# Altium PCB dac_brd_raton_v0.PcbDoc (part 1 of 3)
Units mm, origin at the board's own origin, x right, y up, seen from the top; angles counter-clockwise.
Board outline 145.29 x 217.93 mm, 2 copper layers (Top Layer, Bottom Layer); 316 components, 149 nets, 804 pads, 301 vias.
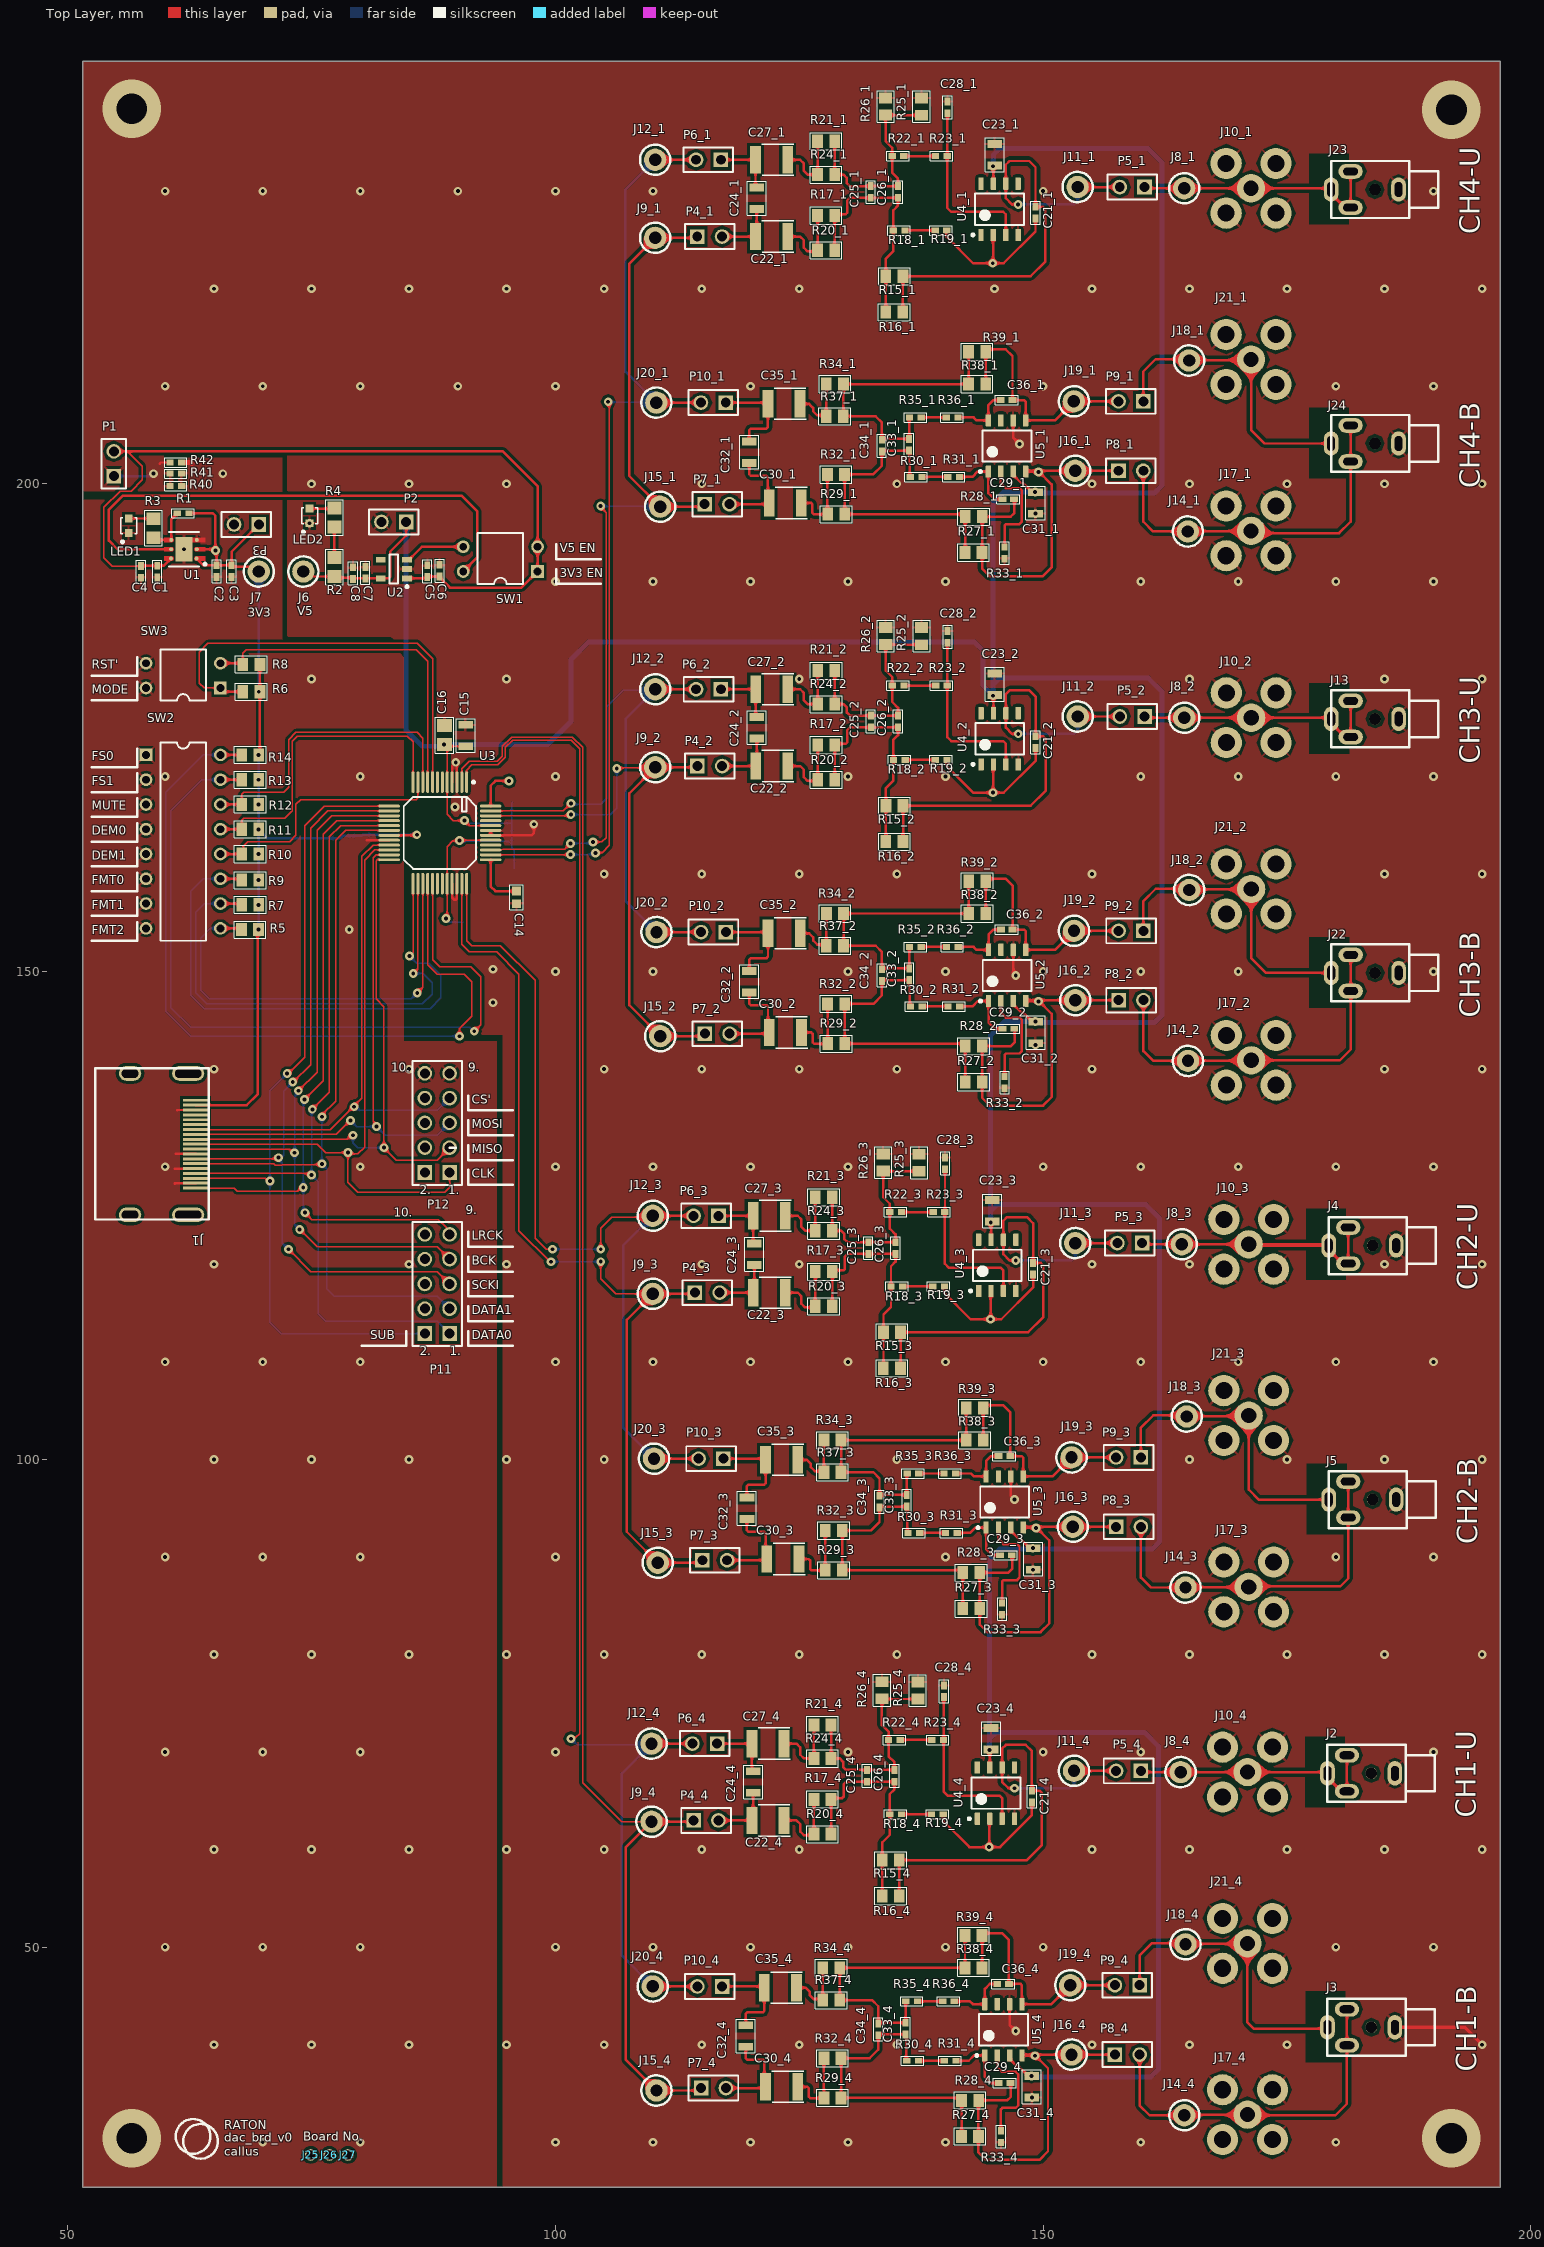
[diagram p0: Top Layer view]
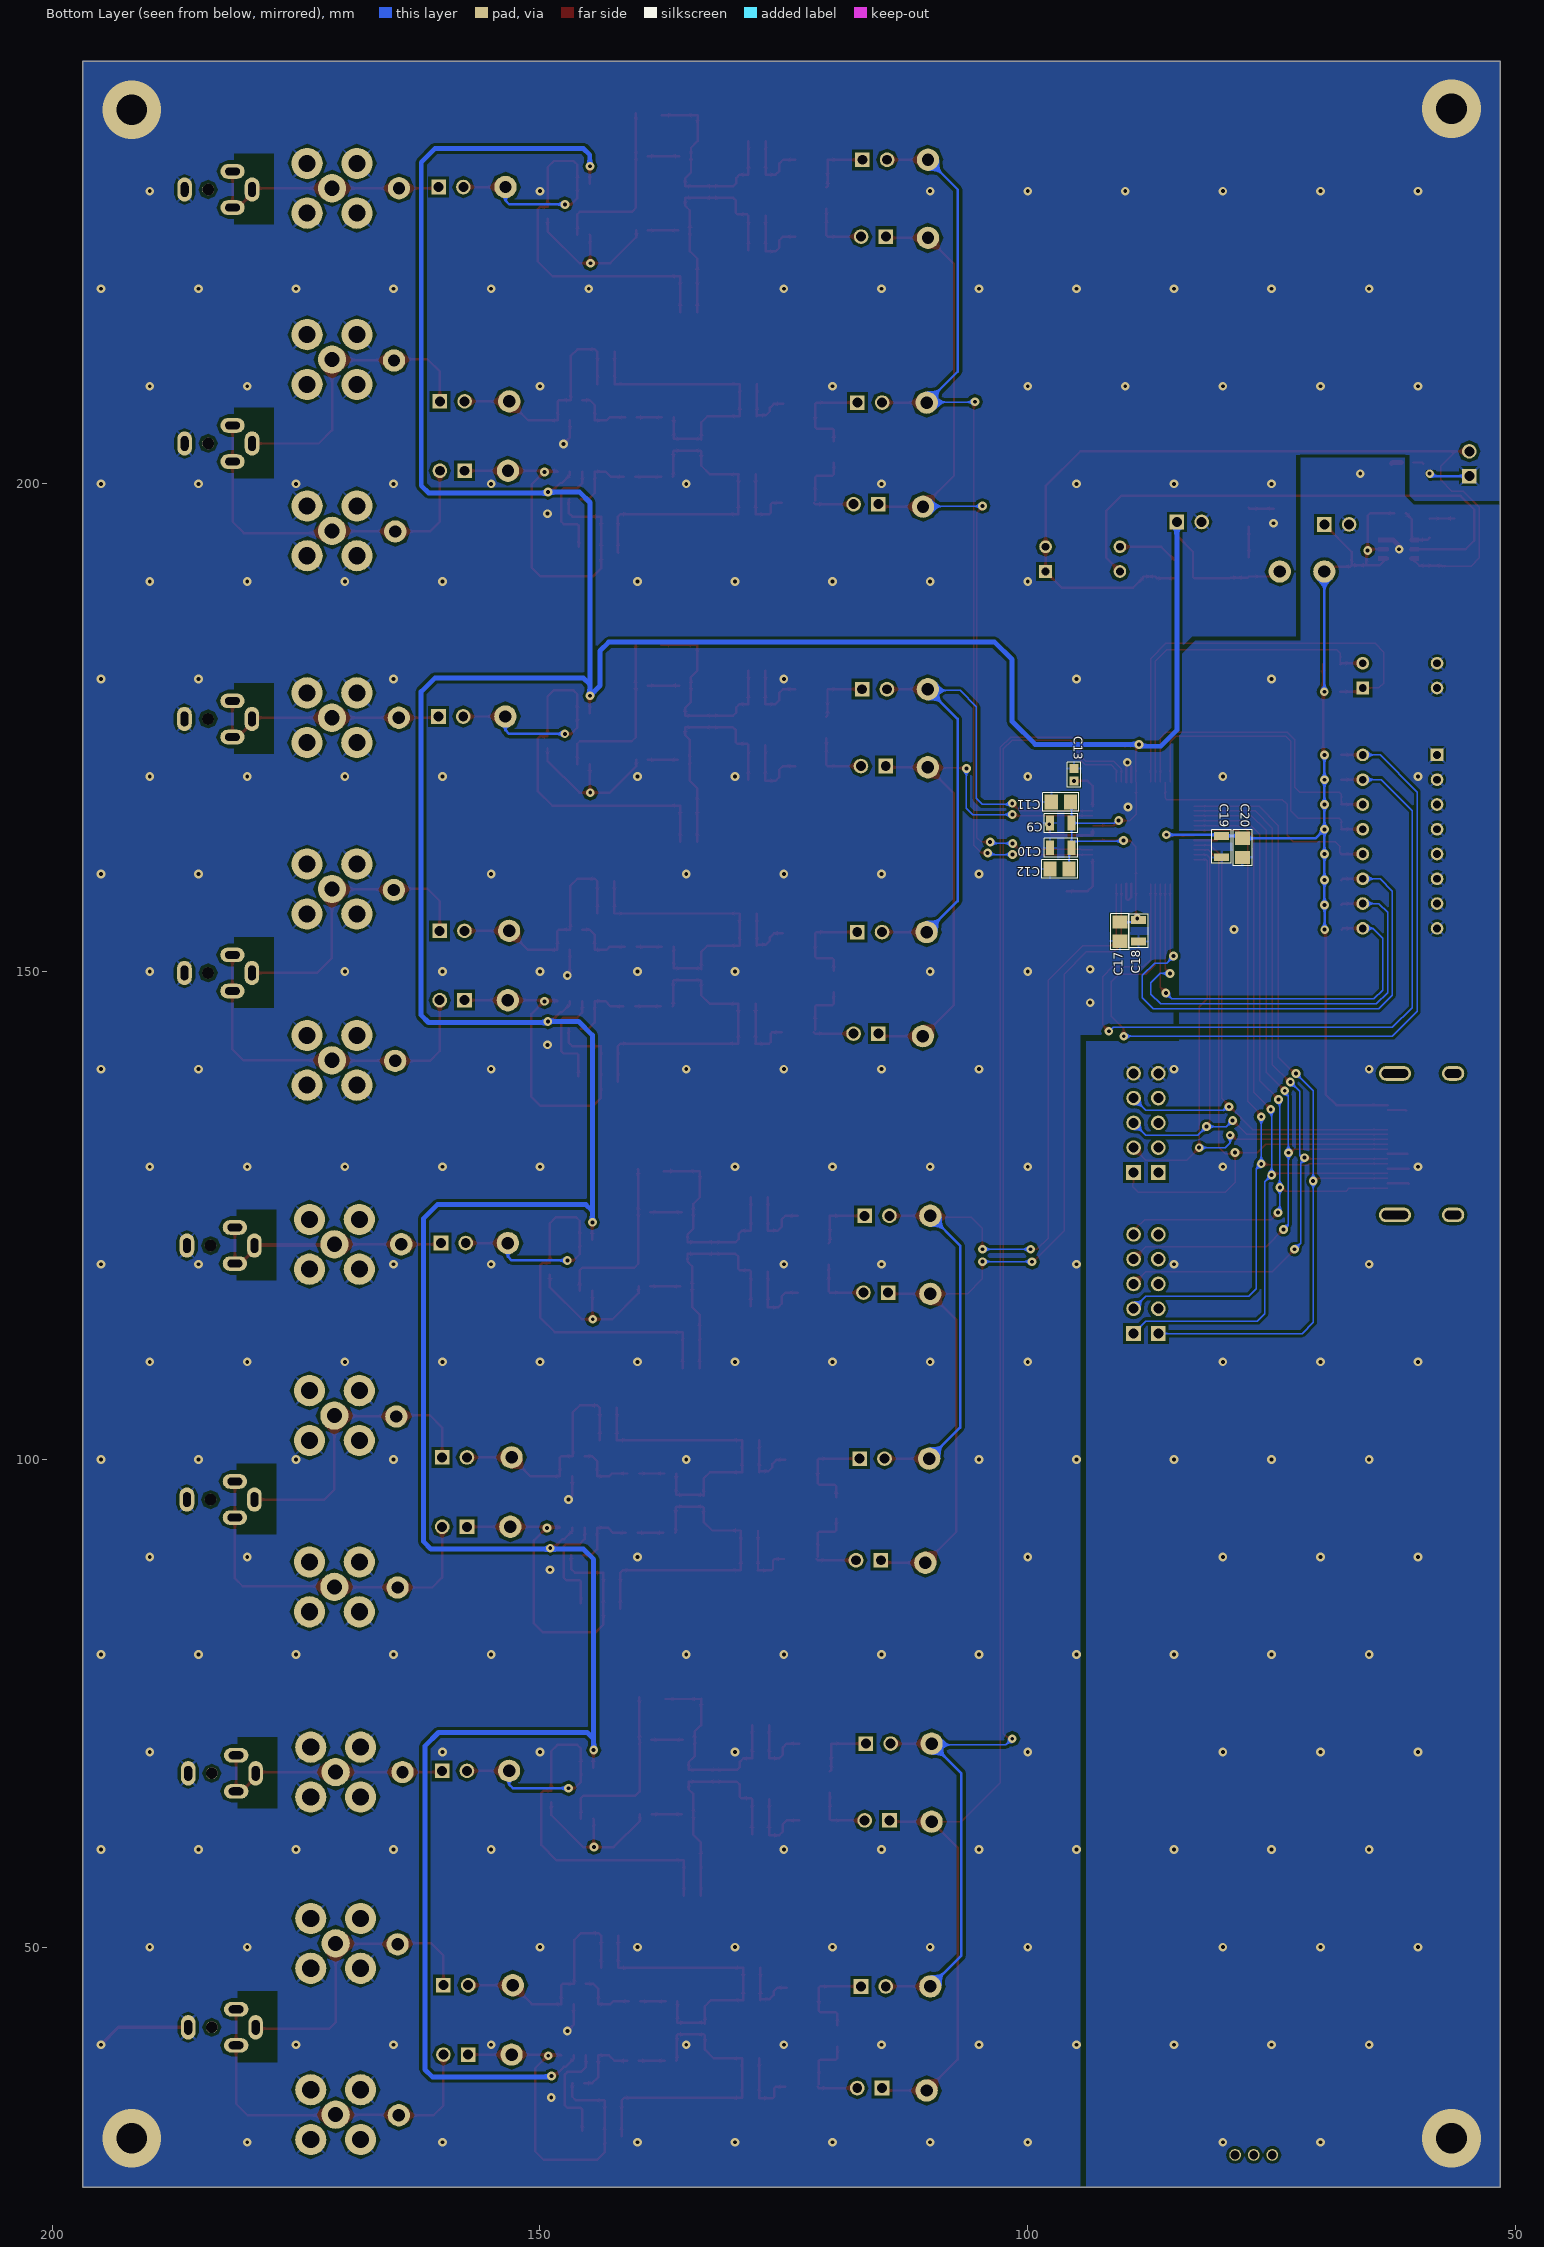
[diagram p1: Bottom Layer view, seen from below]
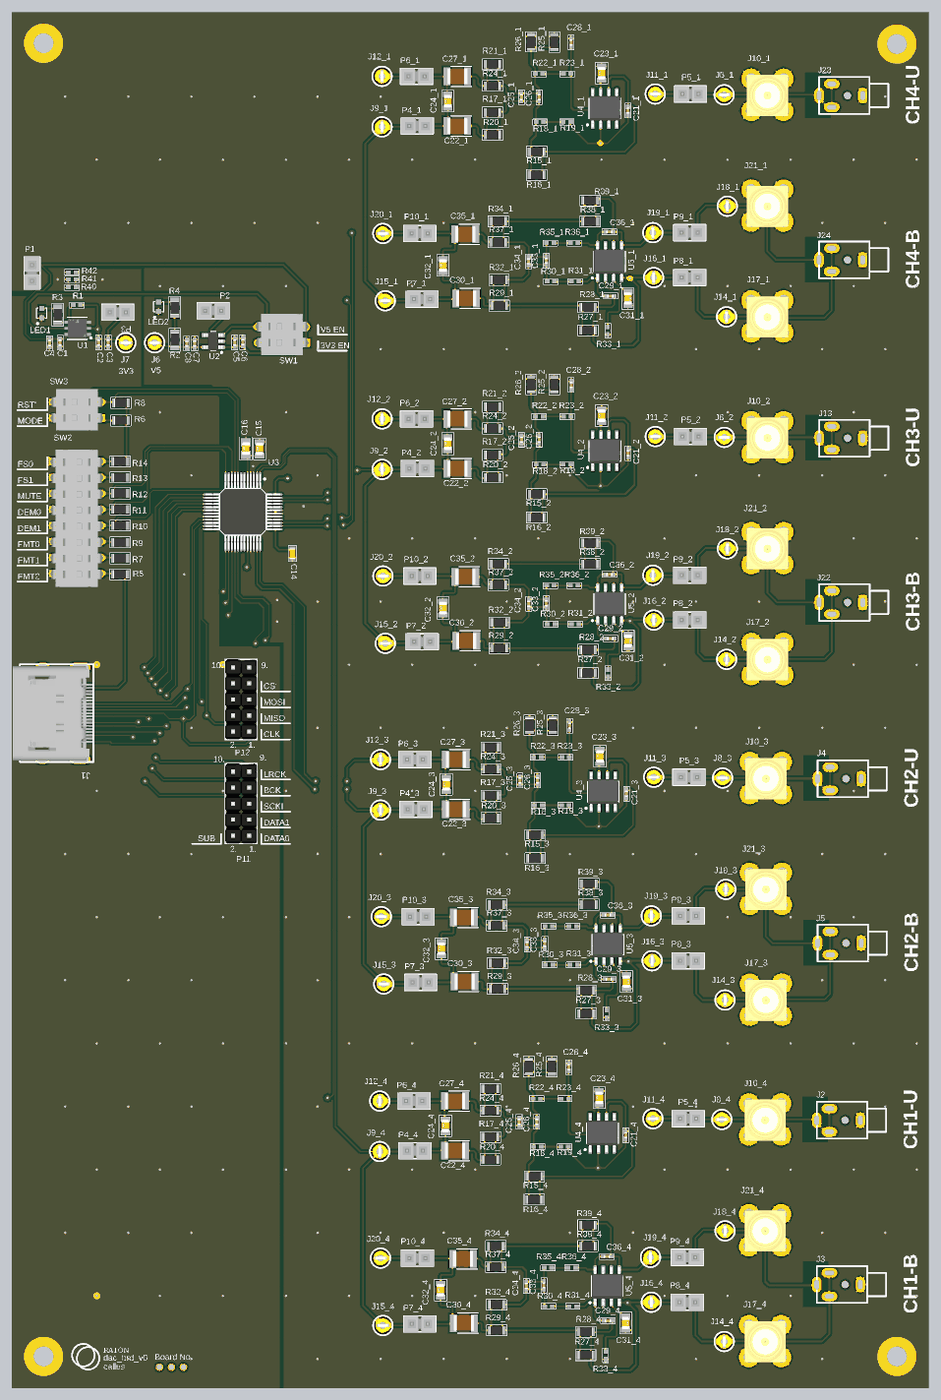
[diagram p4: 3D render of the assembled board from above, using the file's embedded part models]
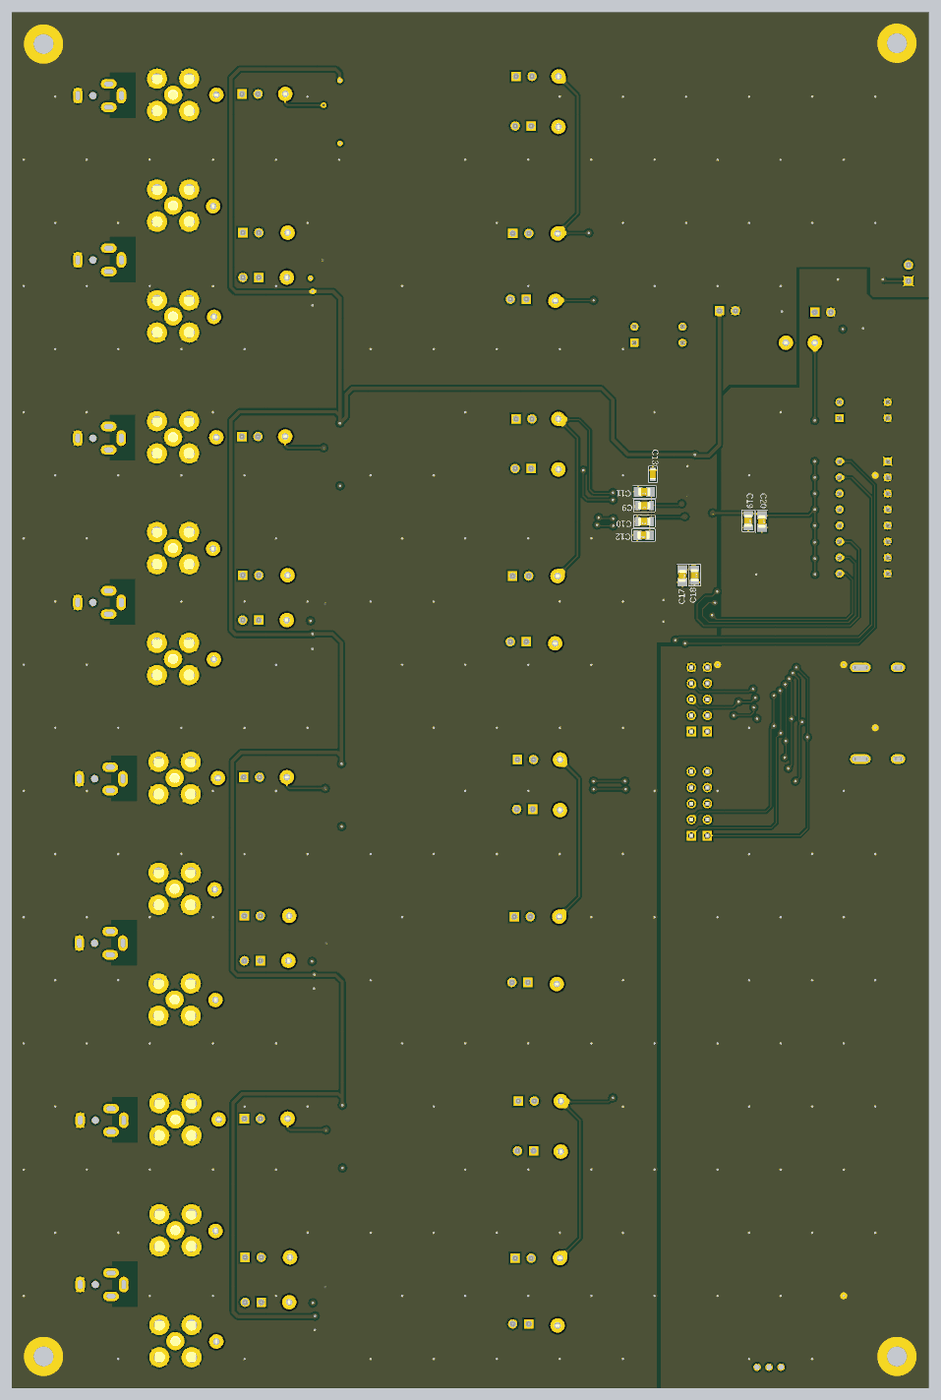
[diagram p5: 3D render of the assembled board from below, using the file's embedded part models]

## Layer stack, top to bottom
Top Solder: solder mask 0.0102, Solder Resist, Dk 3.5
Top Layer: signal copper 0.0356
Dielectric 1: dielectric 0.32, FR-4, Dk 4.8
Bottom Layer: signal copper 0.0356
Bottom Solder: solder mask 0.0102, Solder Resist, Dk 3.5

## Board outline
51.562,25.4 51.562,243.332 196.85,243.332 196.85,25.4

## Design rules (kind name [scope] priority, off if disabled: settings)
Clearance [All] p1: gap=0.152 ignorepadtopadclearanceinfootprint=TRUE except(0: Arc-Hole Track-Hole SMDPad-Hole THPad-Hole Via-Hole Fill-Hole Poly-Hole Region-Hole Text-Hole; 0.3: Arc-Poly Track-Poly SMDPad-Poly THPad-Poly Via-Poly Fill-Poly Poly-Poly Poly-Region Poly-Text)
HoleSize [All] p1: absolutevalues=TRUE maxlimit=3.175 minlimit=0.3 maxpercent=80.000 minpercent=20.000
MinimumSolderMaskSliver [All] p1: minsoldermaskwidth=0
PlaneConnect [All] p1: pad.planeconnectstyle=Relief pad.reliefexpansion=0.508 pad.reliefentries=4 pad.reliefconductorwidth=0.254 pad.reliefairgap=0.254 via.planeconnectstyle=Direct via.reliefexpansion=0.508 via.reliefentries=4 via.reliefconductorwidth=0.254 via.reliefairgap=0.254
PolygonConnect [All] p1: thpad.connectstyle=Relief thpad.reliefconductorwidth=0.254 thpad.reliefentries=4 thpad.polygonreliefangle="45 Angle" thpad.airgapwidth=0.254 smdpad.connectstyle=Relief smdpad.reliefconductorwidth=0.254 smdpad.reliefentries=4 smdpad.polygonreliefangle="90 Angle" smdpad.airgapwidth=0.254 via.connectstyle=Direct via.reliefconductorwidth=0.254 via.reliefentries=4 via.polygonreliefangle="90 Angle" via.airgapwidth=0.254
RoutingVias [All] p1: holewidth=0.711 width=1.27 viastyle="Through Hole" minholewidth=0.711 minwidth=1.27 maxholewidth=0.711 maxwidth=1.27
SilkToSilkClearance [All] p1: silktosilkclearance=0
SilkToSolderMaskClearance [IsPad] p1: minsilkscreentomaskgap=0 clearancetoexposedcopper=TRUE
SolderMaskExpansion [All] p1: expansion=0.102 istentingtop=FALSE
Width [All] p1: maxlimit=0.508 minlimit=0.152 preferedwidth=0.381 minimp=50.000000 maximp=50.000000 favimp=50.000000
25 further rules are at their usual default settings.

## Classes and differential pairs
channel class "DAC Output": "U_DAC Output1" "U_DAC Output2" "U_DAC Output3" "U_DAC Output4"
component class U_Power: C1 C2 C3 C4 C5 C6 C7 C8 J6 J7 LED1 LED2 P1 P2 P3 R1 R2 R3 R4 R40 R41 R42 SW1 U2
component class "U_DAC Output4": C21_4 C22_4 C23_4 C24_4 C25_4 C26_4 C27_4 C28_4 C29_4 C30_4 C31_4 C32_4 C33_4 C34_4 C35_4 C36_4 J8_4 J9_4 J10_4 J11_4 J12_4 J14_4 J15_4 J16_4 J17_4 J18_4 J19_4 J20_4 J21_4 P4_4 P5_4 P6_4 P7_4 P8_4 P9_4 P10_4 R15_4 R16_4 R17_4 R18_4 R19_4 R20_4 R21_4 R22_4 R23_4 R24_4 R25_4 R26_4 R27_4 R28_4 R29_4 R30_4 R31_4 R32_4 R33_4 R34_4 R35_4 R36_4 R37_4 R38_4 R39_4 U4_4 U5_4
component class "U_DAC Output3": C21_3 C22_3 C23_3 C24_3 C25_3 C26_3 C27_3 C28_3 C29_3 C30_3 C31_3 C32_3 C33_3 C34_3 C35_3 C36_3 J8_3 J9_3 J10_3 J11_3 J12_3 J14_3 J15_3 J16_3 J17_3 J18_3 J19_3 J20_3 J21_3 P4_3 P5_3 P6_3 P7_3 P8_3 P9_3 P10_3 R15_3 R16_3 R17_3 R18_3 R19_3 R20_3 R21_3 R22_3 R23_3 R24_3 R25_3 R26_3 R27_3 R28_3 R29_3 R30_3 R31_3 R32_3 R33_3 R34_3 R35_3 R36_3 R37_3 R38_3 R39_3 U4_3 U5_3
component class "U_DAC Output2": C21_2 C22_2 C23_2 C24_2 C25_2 C26_2 C27_2 C28_2 C29_2 C30_2 C31_2 C32_2 C33_2 C34_2 C35_2 C36_2 J8_2 J9_2 J10_2 J11_2 J12_2 J14_2 J15_2 J16_2 J17_2 J18_2 J19_2 J20_2 J21_2 P4_2 P5_2 P6_2 P7_2 P8_2 P9_2 P10_2 R15_2 R16_2 R17_2 R18_2 R19_2 R20_2 R21_2 R22_2 R23_2 R24_2 R25_2 R26_2 R27_2 R28_2 R29_2 R30_2 R31_2 R32_2 R33_2 R34_2 R35_2 R36_2 R37_2 R38_2 R39_2 U4_2 U5_2
component class "U_DAC Output1": C21_1 C22_1 C23_1 C24_1 C25_1 C26_1 C27_1 C28_1 C29_1 C30_1 C31_1 C32_1 C33_1 C34_1 C35_1 C36_1 J8_1 J9_1 J10_1 J11_1 J12_1 J14_1 J15_1 J16_1 J17_1 J18_1 J19_1 J20_1 J21_1 P4_1 P5_1 P6_1 P7_1 P8_1 P9_1 P10_1 R15_1 R16_1 R17_1 R18_1 R19_1 R20_1 R21_1 R22_1 R23_1 R24_1 R25_1 R26_1 R27_1 R28_1 R29_1 R30_1 R31_1 R32_1 R33_1 R34_1 R35_1 R36_1 R37_1 R38_1 R39_1 U4_1 U5_1
component class "U_DAC Channel 12": C9 C10 C11 C12 C13 C14 C15 C16 C17 C18 C19 C20 R5 R6 R7 R8 R9 R10 R11 R12 R13 R14 SW2 SW3 U3
component class "DAC Board TOP": J1 J2 J3 J4 J5 J13 J22 J23 J24 J25 J26 J27 P11 P12

## Components (designator, comment, footprint, x,y, rotation, side; value= is the part's Value field where it differs from the comment)
C1 "CAP 10uF CER 0402 6.3V X5R 20%" 0402-M#1 59.182,191.008 r270 top value=10µF
C2 "CAP 10uF CER 0402 6.3V X5R 20%" 0402-M#1 65.278,191.043 r270 top value=10µF
C3 "CAP 10uF CER 0402 6.3V X5R 20%" 0402-M#1 66.802,191.043 r270 top value=10µF
C4 "CAP 0.1uF CER 0402 16V X5R 10%" 0402-M#1 57.531,190.973 r270 top value=100nF
C5 "CAP 2.2uF CER 0402 25V X5R 10%" 0402-M#1 86.868,191.043 r90 top value=2.2µF
C6 "CAP 0.1uF CER 0402 16V X5R 10%" 0402-M#1 88.138,191.1 r90 top value=100nF
C7 "CAP 2.2uF CER 0402 25V X5R 10%" 0402-M#1 80.518,190.881 r90 top value=2.2µF
C8 "CAP 0.1uF CER 0402 16V X5R 10%" 0402-M#1 79.248,190.846 r90 top value=100nF
C9 "CAP 10nF CER 0805 50V X7R 10%" 0805-M#1 96.604,165.227 r0 bottom value=10nF
C10 "CAP 10nF CER 0805 50V X7R 10%" 0805-M#1 96.604,162.687 r0 bottom value=10nF
C11 "CAP 1uF CER 0805 50V X7R 10%" 0805-L#1 96.606,167.386 r0 bottom value=1µF
C12 "CAP 1uF CER 0805 50V X7R 10%" 0805-L#1 96.733,160.528 r0 bottom value=1µF
C13 "CAP 100nF CER 0603 50V X7R 5%" 0603-M 95.25,170.18 r90 bottom value=100nF
C14 "CAP 100nF CER 0603 50V X7R 5%" 0603-M 96.012,157.607 r270 top value=100nF
C15 "CAP 10nF CER 0805 50V X7R 10%" 0805-M#1 90.805,174.201 r90 top value=10nF
C16 "CAP 1uF CER 0805 50V X7R 10%" 0805-L#1 88.646,174.244 r90 top value=1µF
C17 "CAP 1uF CER 0805 50V X7R 10%" 0805-L#1 90.551,154.092 r270 bottom value=1µF
C18 "CAP 10nF CER 0805 50V X7R 10%" 0805-M#1 88.646,154.178 r270 bottom value=10nF
C19 "CAP 10nF CER 0805 50V X7R 10%" 0805-M#1 80.137,162.814 r270 bottom value=10nF
C20 "CAP 1uF CER 0805 50V X7R 10%" 0805-L#1 77.978,162.687 r270 bottom value=1µF
C21_1 "CAP 1nF CER 0402 50V X5R 10%" 0402-M#1 149.212,227.79 r90 top value=1nF (schematic designator C21)
C21_2 "CAP 1nF CER 0402 50V X5R 10%" 0402-M#1 149.225,173.517 r90 top value=1nF (schematic designator C21)
C21_3 "CAP 1nF CER 0402 50V X5R 10%" 0402-M#1 148.971,119.542 r90 top value=1nF (schematic designator C21)
C21_4 "CAP 1nF CER 0402 50V X5R 10%" 0402-M#1 148.844,65.44 r90 top value=1nF (schematic designator C21)
C22_1 "CAP 100uF CER 1210 16V X5R 20%" 1210-M 122.161,225.342 r180 top value=100µF (schematic designator C22)
C22_2 "CAP 100uF CER 1210 16V X5R 20%" 1210-M 122.174,171.069 r180 top value=100µF (schematic designator C22)
C22_3 "CAP 100uF CER 1210 16V X5R 20%" 1210-M 121.92,117.094 r180 top value=100µF (schematic designator C22)
C22_4 "CAP 100uF CER 1210 16V X5R 20%" 1210-M 121.793,62.992 r180 top value=100µF (schematic designator C22)
C23_1 "CAP 0.1uF CER 0805 50V  X7R 5%" 0805-M#1 145.021,233.724 r90 top value=100nF (schematic designator C23)
C23_2 "CAP 0.1uF CER 0805 50V  X7R 5%" 0805-M#1 145.034,179.451 r90 top value=100nF (schematic designator C23)
C23_3 "CAP 0.1uF CER 0805 50V  X7R 5%" 0805-M#1 144.78,125.476 r90 top value=100nF (schematic designator C23)
C23_4 "CAP 0.1uF CER 0805 50V  X7R 5%" 0805-M#1 144.653,71.374 r90 top value=100nF (schematic designator C23)
C24_1 "CAP 22pF CER 0805 50V C0G 2%" 0805-M#1 120.637,229.279 r90 top value=22pF (schematic designator C24)
C24_2 "CAP 22pF CER 0805 50V C0G 2%" 0805-M#1 120.65,175.006 r90 top value=22pF (schematic designator C24)
C24_3 "CAP 22pF CER 0805 50V C0G 2%" 0805-M#1 120.396,121.031 r90 top value=22pF (schematic designator C24)
C24_4 "CAP 22pF CER 0805 50V C0G 2%" 0805-M#1 120.269,66.929 r90 top value=22pF (schematic designator C24)
C25_1 "CAP 1nF CER 0402 50V X5R 10%" 0402-M#1 132.321,229.914 r90 top value=1nF (schematic designator C25)
C25_2 "CAP 1nF CER 0402 50V X5R 10%" 0402-M#1 132.334,175.641 r90 top value=1nF (schematic designator C25)
C25_3 "CAP 1nF CER 0402 50V X5R 10%" 0402-M#1 132.08,121.666 r90 top value=1nF (schematic designator C25)
C25_4 "CAP 1nF CER 0402 50V X5R 10%" 0402-M#1 131.953,67.564 r90 top value=1nF (schematic designator C25)
C26_1 "CAP 1nF CER 0402 50V X5R 10%" 0402-M#1 135.115,229.914 r90 top value=1nF (schematic designator C26)
C26_2 "CAP 1nF CER 0402 50V X5R 10%" 0402-M#1 135.128,175.641 r90 top value=1nF (schematic designator C26)
C26_3 "CAP 1nF CER 0402 50V X5R 10%" 0402-M#1 134.874,121.666 r90 top value=1nF (schematic designator C26)
C26_4 "CAP 1nF CER 0402 50V X5R 10%" 0402-M#1 134.747,67.564 r90 top value=1nF (schematic designator C26)
C27_1 "CAP 100uF CER 1210 16V X5R 20%" 1210-M 122.161,233.216 r180 top value=100µF (schematic designator C27)
C27_2 "CAP 100uF CER 1210 16V X5R 20%" 1210-M 122.174,178.943 r180 top value=100µF (schematic designator C27)
C27_3 "CAP 100uF CER 1210 16V X5R 20%" 1210-M 121.92,124.968 r180 top value=100µF (schematic designator C27)
C27_4 "CAP 100uF CER 1210 16V X5R 20%" 1210-M 121.793,70.866 r180 top value=100µF (schematic designator C27)
C28_1 "CAP 1nF CER 0402 50V X5R 10%" 0402-M#1 140.195,238.585 r90 top value=1nF (schematic designator C28)
C28_2 "CAP 1nF CER 0402 50V X5R 10%" 0402-M#1 140.208,184.312 r90 top value=1nF (schematic designator C28)
C28_3 "CAP 1nF CER 0402 50V X5R 10%" 0402-M#1 139.954,130.337 r90 top value=1nF (schematic designator C28)
C28_4 "CAP 1nF CER 0402 50V X5R 10%" 0402-M#1 139.827,76.235 r90 top value=1nF (schematic designator C28)
C29_1 "CAP 1nF CER 0402 50V X5R 10%" 0402-M#1 146.418,198.418 r0 top value=1nF (schematic designator C29)
C29_2 "CAP 1nF CER 0402 50V X5R 10%" 0402-M#1 146.431,144.145 r0 top value=1nF (schematic designator C29)
C29_3 "CAP 1nF CER 0402 50V X5R 10%" 0402-M#1 146.177,90.17 r0 top value=1nF (schematic designator C29)
C29_4 "CAP 1nF CER 0402 50V X5R 10%" 0402-M#1 146.05,36.068 r0 top value=1nF (schematic designator C29)
C30_1 "CAP 100uF CER 1210 16V X5R 20%" 1210-M 123.558,198.037 r180 top value=100µF (schematic designator C30)
C30_2 "CAP 100uF CER 1210 16V X5R 20%" 1210-M 123.571,143.764 r180 top value=100µF (schematic designator C30)
C30_3 "CAP 100uF CER 1210 16V X5R 20%" 1210-M 123.317,89.789 r180 top value=100µF (schematic designator C30)
C30_4 "CAP 100uF CER 1210 16V X5R 20%" 1210-M 123.19,35.687 r180 top value=100µF (schematic designator C30)
C31_1 "CAP 0.1uF CER 0805 50V  X7R 5%" 0805-M#1 149.212,198.037 r270 top value=100nF (schematic designator C31)